# Altium PCB UltraZohm_Analog_ADS5272.PcbDoc (part 1 of 4) (continued)
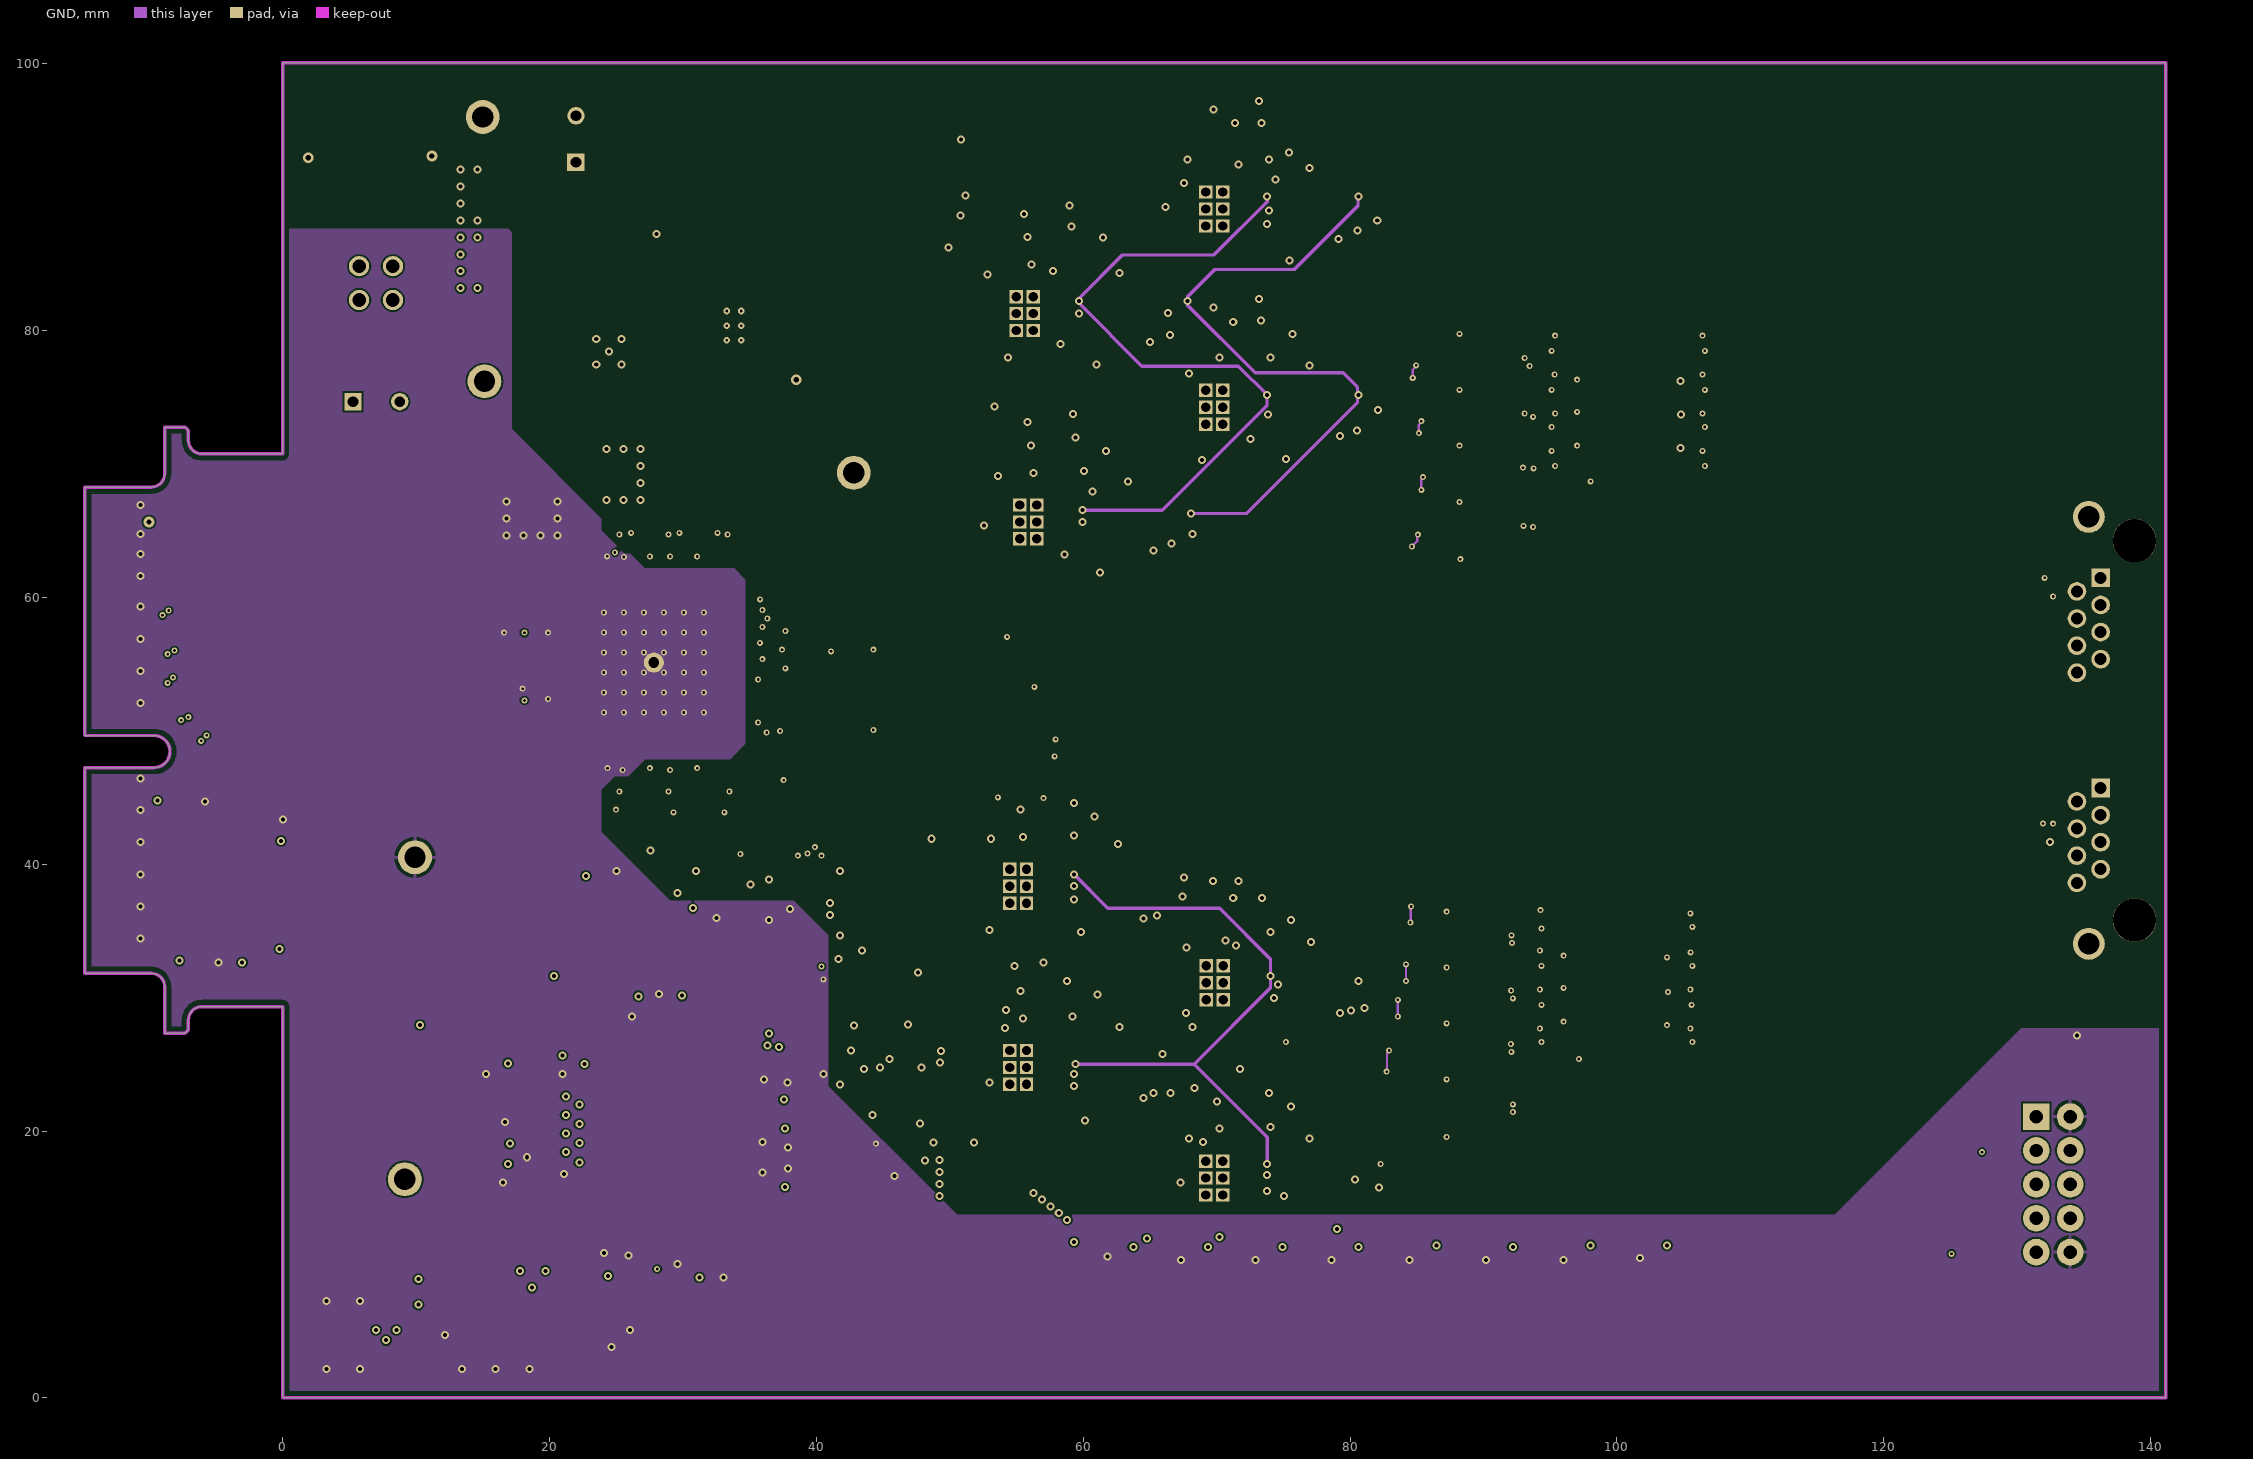
[diagram p4: GND]
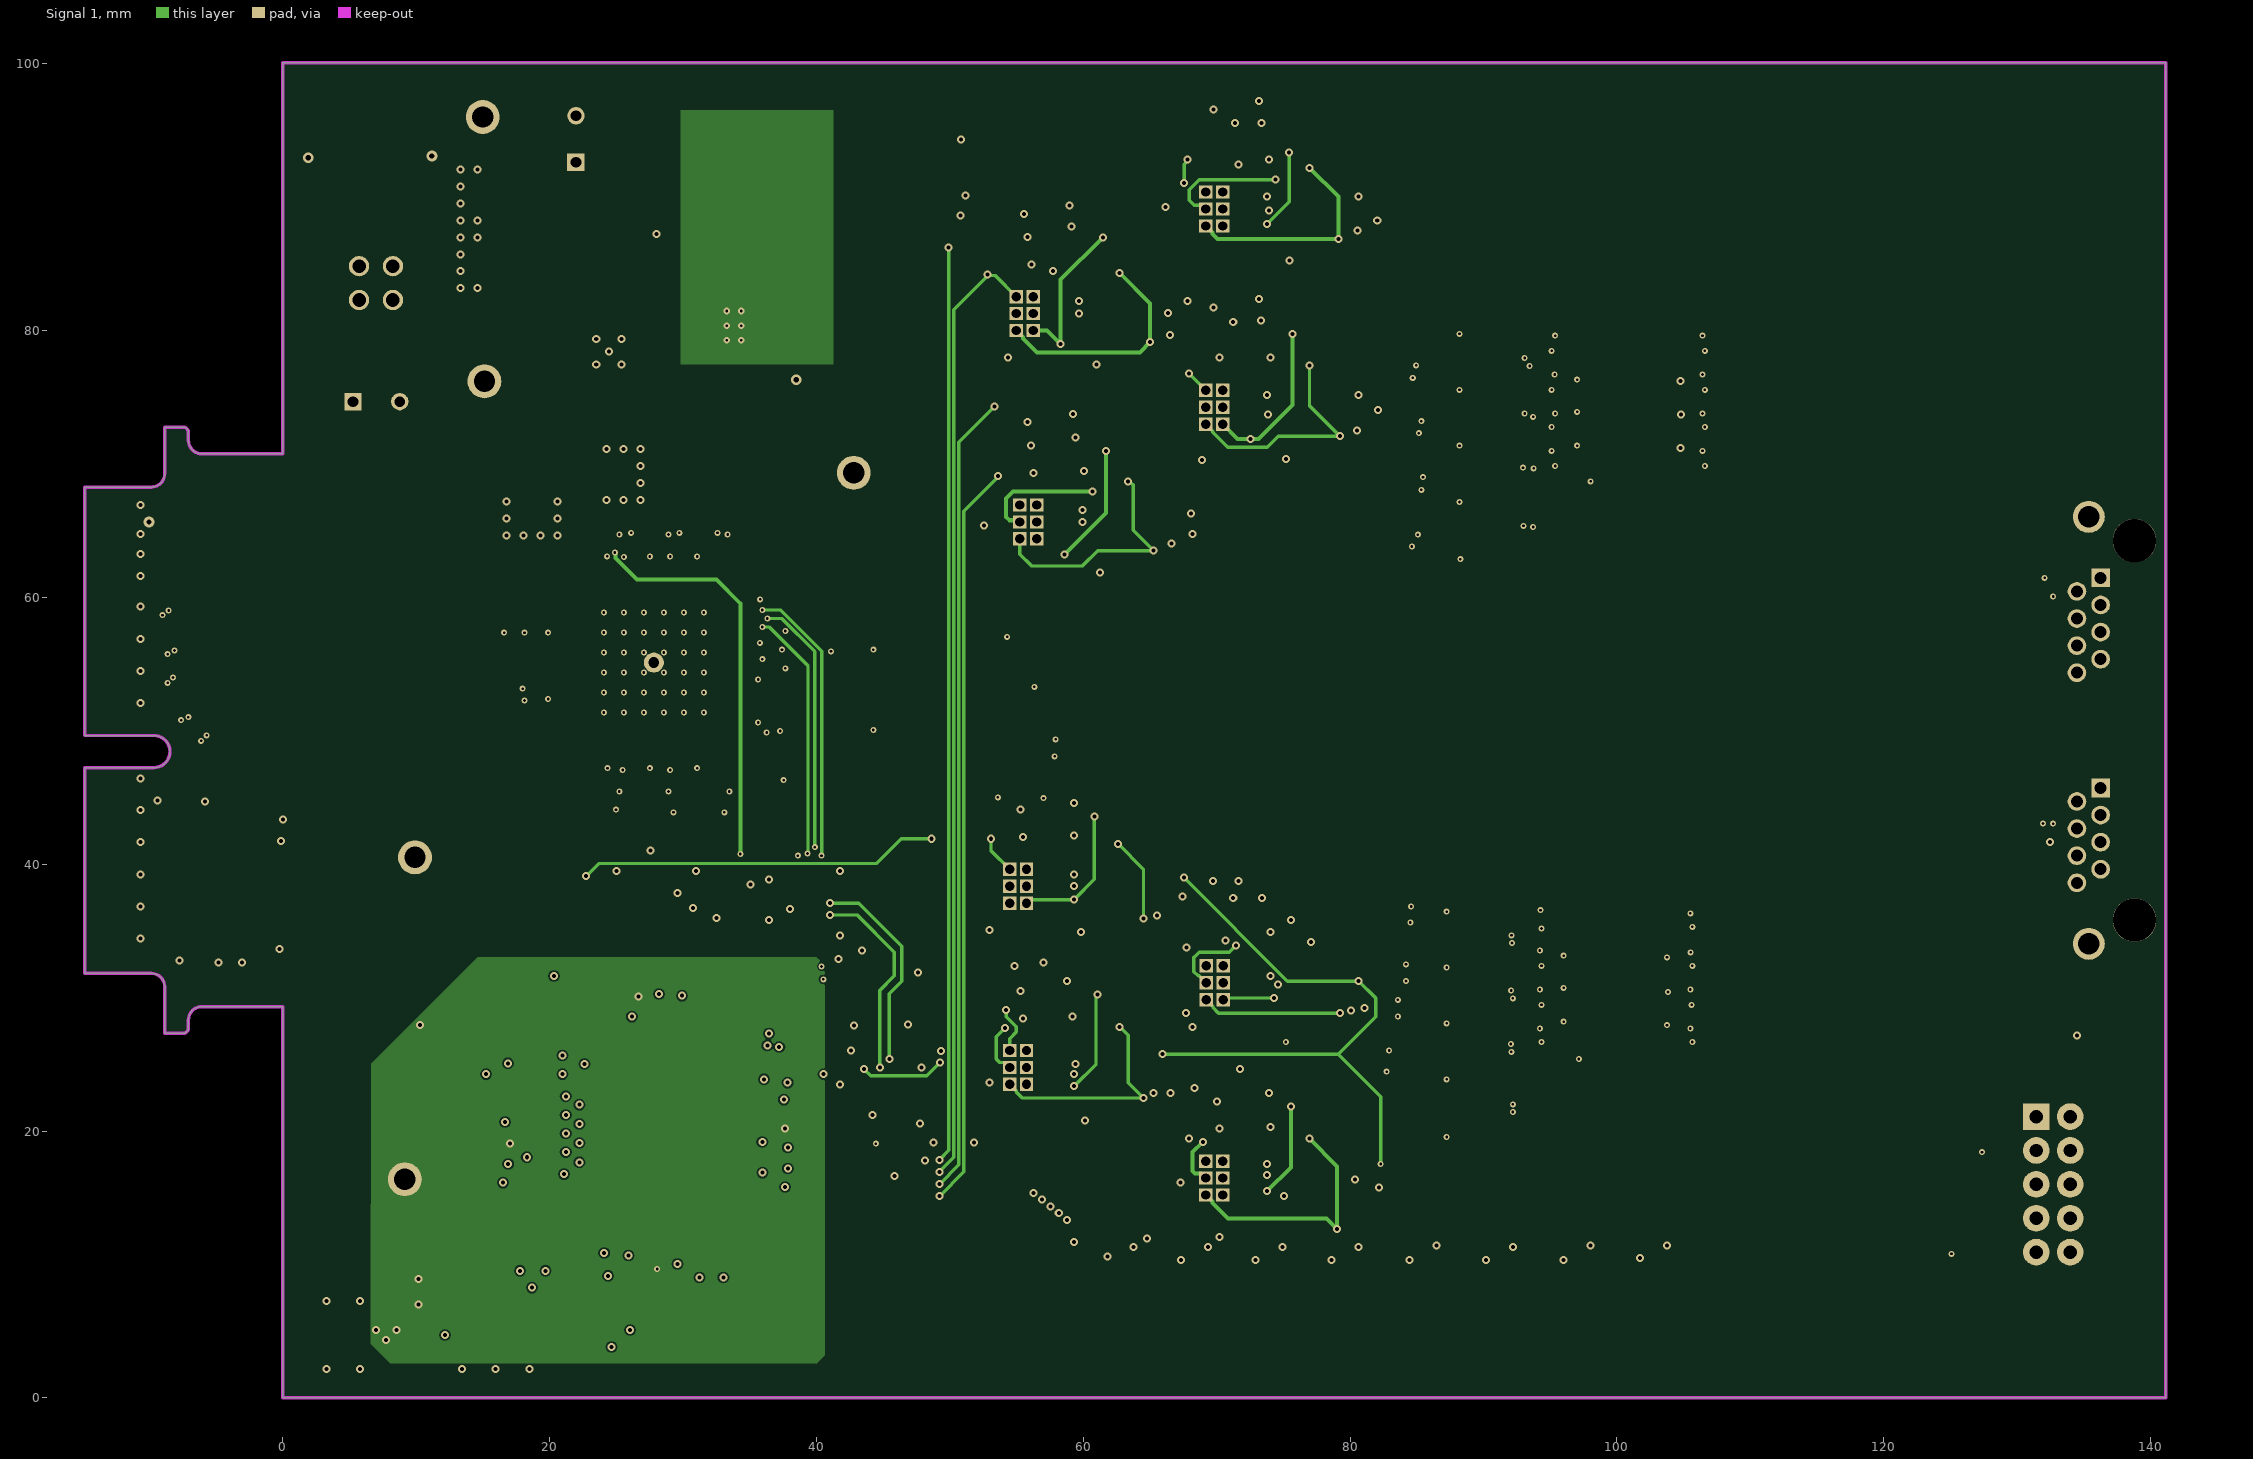
[diagram p5: Signal 1]
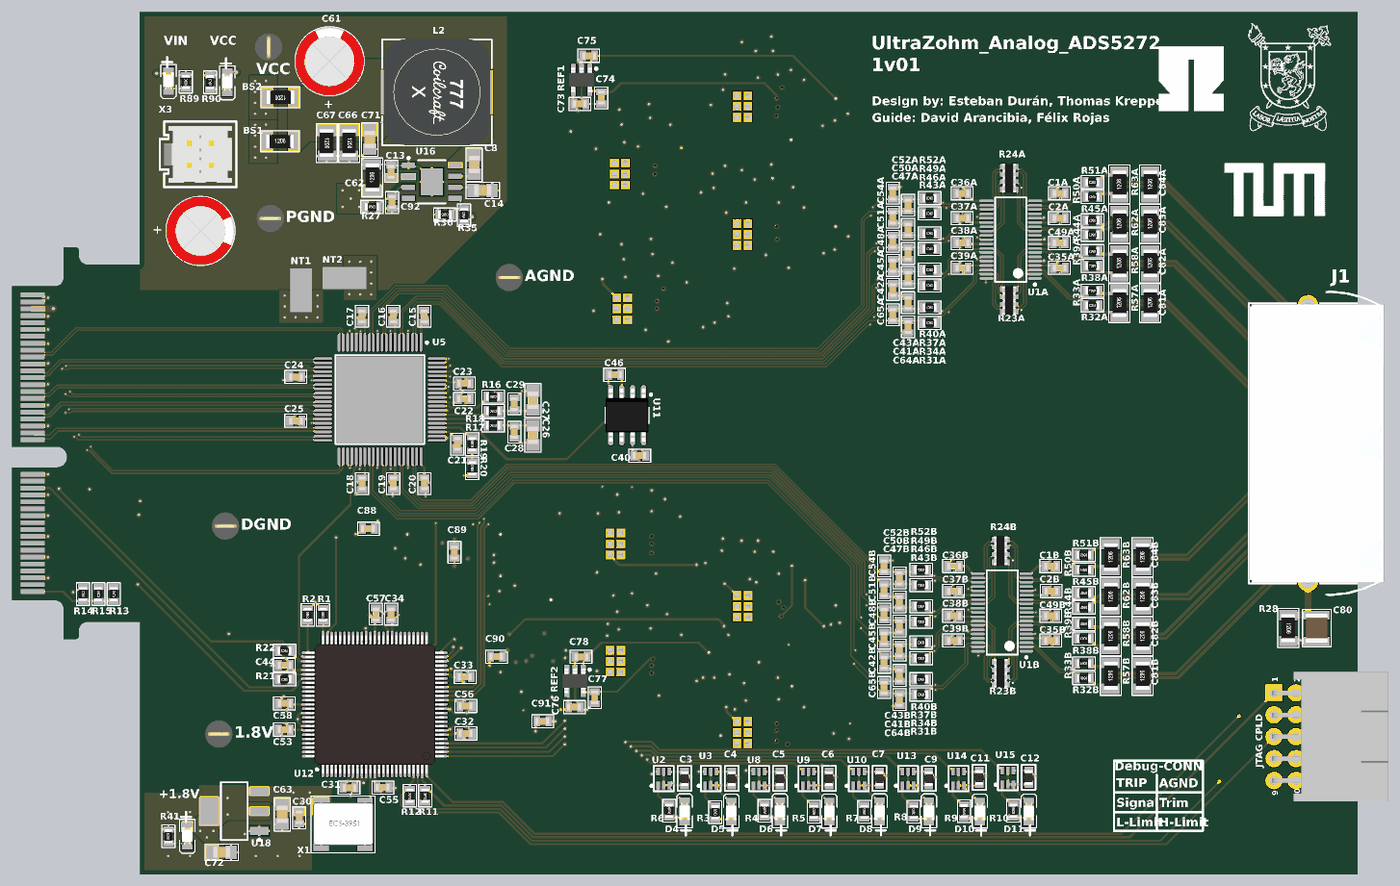
[diagram p9: 3D render of the assembled board from above, using the file's embedded part models]
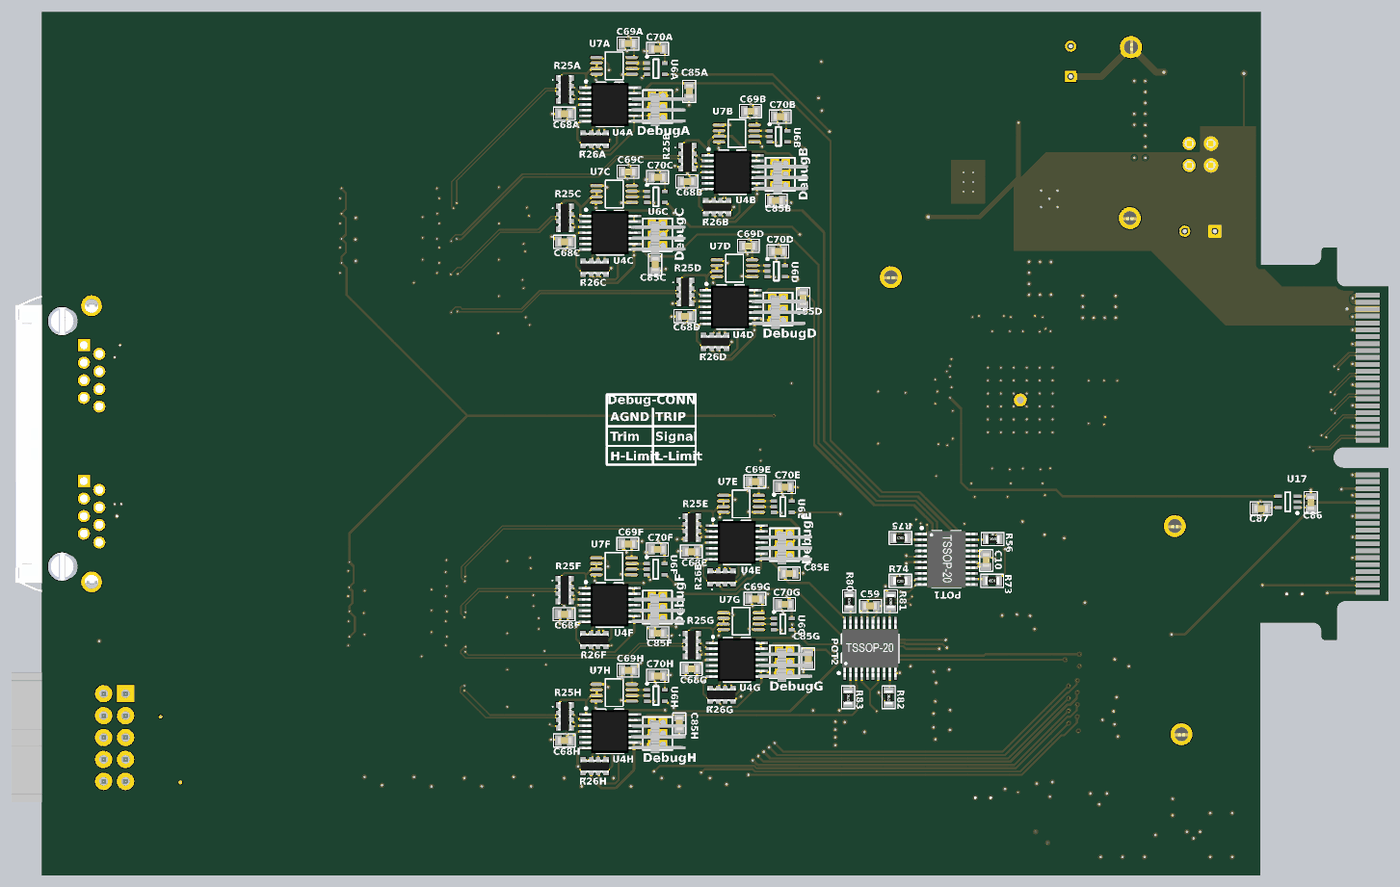
[diagram p10: 3D render of the assembled board from below, using the file's embedded part models]

## Layer stack, top to bottom
Top Solder: solder mask 0.0102, Solder Resist, Dk 3.5
Top Layer: signal copper 0.0356
Dielectric 1: core 0.254, FR-4, Dk 4.2
AGND: signal copper 0.036
Dielectric 5: prepreg 0.127, Dk 4.2
VCC: signal copper 0.036
Dielectric 4: core 0.6026, Dk 4.2
GND: signal copper 0.036
Dielectric 3: prepreg 0.127, Dk 4.2
Signal 1: signal copper 0.036
Dielectric 2: core 0.254, Dk 4.2
Bottom Layer: signal copper 0.0356
Bottom Solder: solder mask 0.0102, Solder Resist, Dk 3.5

## Board outline
-14.08,31.821 -9.859,31.821 cw(c-9.859,30.821) -8.859,30.821 -8.859,27.321 -7.479,27.321 ccw(c-7.479,27.721) -7.079,27.721 -7.079,28.321 cw(c-6.079,28.321) -6.079,29.321 0,29.321 0,0 141.16,0 141.16,100.073 141.141,100.092 -0.019,100.092 -0.019,70.771 -6.079,70.771 cw(c-6.079,71.771) -7.079,71.771 -7.079,72.371 ccw(c-7.479,72.371) -7.479,72.771 -8.859,72.771 -8.859,69.271 cw(c-9.859,69.271) -9.859,68.271 -14.859,68.271 -14.859,49.646 -9.659,49.646 cw(c-9.659,48.446) -9.659,47.246 -14.859,47.246 -14.859,31.821

## Design rules (kind name [scope] priority, off if disabled: settings)
BoardOutlineClearance [All] p1: gap=0.508 ignorepadtopadclearanceinfootprint=FALSE except(0: Arc-SplitContinuation Track-SplitContinuation SMDPad-SplitContinuation THPad-SplitContinuation Via-SplitContinuation Fill-SplitContinuation Poly-SplitContinuation Region-SplitContinuation Text-SplitContinuation)
Clearance [All] p1: gap=0.127 ignorepadtopadclearanceinfootprint=FALSE except(0: Arc-Text Track-Text SMDPad-Text THPad-Text Via-Text Fill-Text Poly-Text Region-Text Text-Text)
ComponentClearance [All] p1: gap=0 collisioncheckmode=3 verticalgap=0 showdistances=FALSE
DiffPairsRouting [All] p1: maxlimit=0.508 minlimit=0.127 mostfreqgap=0.127 toplayer_minwidth=0.127 toplayer_maxwidth=0.762 toplayer_prefwidth=0.178 midlayer1_minwidth=0.127 midlayer1_maxwidth=0.762 midlayer1_prefwidth=0.178 midlayer2_minwidth=0.127 midlayer2_maxwidth=0.762 midlayer2_prefwidth=0.178 midlayer3_minwidth=0.127 midlayer3_maxwidth=0.762 midlayer3_prefwidth=0.178 midlayer4_minwidth=0.127 midlayer4_maxwidth=0.762 midlayer4_prefwidth=0.178 bottomlayer_minwidth=0.127 bottomlayer_maxwidth=0.762 bottomlayer_prefwidth=0.178 maxuncoupledlength=12.7
Height [All] p1: minheight=0 maxheight=50 prefheight=12.7
HoleSize [All] p1: absolutevalues=TRUE maxlimit=6.3 minlimit=0.2 maxpercent=80.000 minpercent=20.000
MinimumAnnularRing [All] p1: minimumring=0.076
MinimumSolderMaskSliver [All] p1: minsoldermaskwidth=0.01
PolygonConnect PolygonConnect_NetTie [HasFootprint('NetTie')] p1: connectstyle=Direct reliefconductorwidth=0.254 reliefentries=4 polygonreliefangle="90 Angle" airgapwidth=0.254
PolygonConnect PolygonConnect_GND [InNet('AGND') or InNet('PGND') or InNet('GND')] p2: thpad.connectstyle=Relief thpad.reliefconductorwidth=0.254 thpad.reliefentries=4 thpad.polygonreliefangle="90 Angle" thpad.airgapwidth=0.254 smdpad.connectstyle=Relief smdpad.reliefconductorwidth=0.254 smdpad.reliefentries=4 smdpad.polygonreliefangle="90 Angle" smdpad.airgapwidth=0.254 via.connectstyle=Direct via.reliefconductorwidth=0.254 via.reliefentries=4 via.polygonreliefangle="90 Angle" via.airgapwidth=0.254
PolygonConnect [All] p3: connectstyle=Direct reliefconductorwidth=0.254 reliefentries=4 polygonreliefangle="90 Angle" airgapwidth=0.254
RoutingVias [All] p1: holewidth=0.3 width=0.6 viastyle="Through Hole" minholewidth=0.2 minwidth=0.45 maxholewidth=0.4 maxwidth=0.8
SilkToSilkClearance [All] p1: silktosilkclearance=0
SilkToSolderMaskClearance [IsPad] p1: minsilkscreentomaskgap=0.015 clearancetoexposedcopper=TRUE
SolderMaskExpansion [All] p1: expansion=0.102 istentingtop=FALSE
Width [All] p1: maxlimit=0.762 minlimit=0.089 preferedwidth=0.254
23 further rules are at their usual default settings.

## Classes and differential pairs
channel class Opamps: OpAmps1 OpAmps2
channel class "Trip Detector": Trip1 Trip2 Trip3 Trip4 Trip5 Trip6 Trip7 Trip8 Trip9 Trip10 Trip11 Trip12 Trip13 Trip14 Trip15 Trip16
differential pair D_ADCLK: +ADCLK_P -ADCLK_N
differential pair D_LCLK: +LCLK_P -LCLK_N
differential pair D_FB1A: +FB1A_P -FB1A_N
differential pair D_FB1B: +FB1B_P -FB1B_N
differential pair D_FB2A: +FB2A_P -FB2A_N
differential pair D_FB2B: +FB2B_P -FB2B_N
differential pair D_FB3A: +FB3A_P -FB3A_N
differential pair D_FB3B: +FB3B_P -FB3B_N
differential pair D_FB4A: +FB4A_P -FB4A_N
differential pair D_FB4B: +FB4B_P -FB4B_N
differential pair D_ADC_IN4: +ADC_IN_P4 -ADC_IN_N4
differential pair D_ADC_IN8: +ADC_IN_P8 -ADC_IN_N8
differential pair D_ADC_IN3: +ADC_IN_P3 -ADC_IN_N3
differential pair D_ADC_IN7: +ADC_IN_P7 -ADC_IN_N7
differential pair D_ADC_IN2: +ADC_IN_P2 -ADC_IN_N2
differential pair D_ADC_IN6: +ADC_IN_P6 -ADC_IN_N6
differential pair D_ADC_IN1: +ADC_IN_P1 -ADC_IN_N1
differential pair D_ADC_IN5: +ADC_IN_P5 -ADC_IN_N5
differential pair D_ADC1: +ADC_P1 -ADC_N1
differential pair D_ADC2: +ADC_P2 -ADC_N2
differential pair D_ADC3: +ADC_P3 -ADC_N3
differential pair D_ADC4: +ADC_P4 -ADC_N4
differential pair D_ADC5: +ADC_P5 -ADC_N5
differential pair D_ADC6: +ADC_P6 -ADC_N6
differential pair D_ADC7: +ADC_P7 -ADC_N7
differential pair D_ADC8: +ADC_P8 -ADC_N8
differential pair D_AIN_A1: +AIN_A_P1 -AIN_A_N1
differential pair D_AIN_A2: +AIN_A_P2 -AIN_A_N2
differential pair D_AIN_A3: +AIN_A_P3 -AIN_A_N3
differential pair D_AIN_A4: +AIN_A_P4 -AIN_A_N4
differential pair D_AIN_B1: +AIN_B_P1 -AIN_B_N1
differential pair D_AIN_B2: +AIN_B_P2 -AIN_B_N2
differential pair D_AIN_B3: +AIN_B_P3 -AIN_B_N3
differential pair D_AIN_B4: +AIN_B_P4 -AIN_B_N4
differential pair D_TD1: +TD_P1 -TD_N1
differential pair D_TD2: +TD_P2 -TD_N2
differential pair D_TD3: +TD_P3 -TD_N3
differential pair D_TD4: +TD_P4 -TD_N4
differential pair D_TD5: +TD_P5 -TD_N5
differential pair D_TD6: +TD_P6 -TD_N6
differential pair D_TD7: +TD_P7 -TD_N7
differential pair D_TD8: +TD_P8 -TD_N8
differential pair NewDifferentialPair1: +ADC_IN_N5 -ADC_IN_P5
differential pair FB4B: +FB4B_P -FB4B_N
differential pair FB4A: +FB4A_P -FB4A_N
differential pair FB3B: +FB3B_P -FB3B_N
differential pair FB3A: +FB3A_P -FB3A_N
differential pair FB2B: +FB2B_P -FB2B_N
differential pair FB2A: +FB2A_P -FB2A_N
differential pair FB1B: +FB1B_P -FB1B_N
differential pair FB1A: +FB1A_P -FB1A_N
differential pair LCLK: +LCLK_P -LCLK_N
differential pair ADCLK: +ADCLK_P -ADCLK_N
differential pair ADC8: +ADC_P8 -ADC_N8
differential pair ADC7: +ADC_P7 -ADC_N7
differential pair ADC6: +ADC_P6 -ADC_N6
differential pair ADC4: +ADC_P4 -ADC_N4
differential pair ADC3: +ADC_P3 -ADC_N3

## Components (designator, comment, footprint, x,y, rotation, side; value= is the part's Value field where it differs from the comment)
BS1 "Ferrite bead" RES_1206 14.732,85.09 r270 top
BS2 "Ferrite bead" RES_1206 17.78,90.17 r90 top
C1A "100nF" CAP_0603 107.251,79.039 r270 top (schematic designator C1)
C1B "100nF" CAP_0603 106.264,35.795 r270 top (schematic designator C1)
C2A "100nF" CAP_0603 107.248,76.16 r270 top (schematic designator C2)
C2B "100nF" CAP_0603 106.302,32.893 r270 top (schematic designator C2)
C3 "100nF" 0603 63.119,11.14 r90 top
C4 "100nF" 0603 68.58,11.14 r90 top
C5 "100nF" 0603 74.168,11.14 r90 top
C6 "100nF" 0603 79.883,11.14 r90 top
C7 "100nF" 0603 85.725,11.153 r90 top
C8 "100nF" CAP_0805 38.724,83.475 r0 top
C9 "100nF" 0603 91.44,11.14 r90 top
C10 "100nF" CAP_0603 31.75,37.214 r180 bottom
C11 "100nF" 0603 97.282,11.267 r90 top
C12 "100nF" 0603 102.997,11.267 r90 top
C13 "100nF" CAP_0603 29.117,80.893 r180 top
C14 "1uF" CAP_0805 38.624,79.375 r90 top
C15 "100nF" CAP_0603 32.969,64.089 r180 top
C16 "100nF" CAP_0603 29.35,64.089 r180 top
C17 "100nF" CAP_0603 25.73,64.089 r180 top
C18 "100nF" CAP_0603 25.73,46.055 r0 top
C19 "100nF" CAP_0603 29.35,46.055 r0 top
C20 "100nF" CAP_0603 32.969,46.055 r0 top
C21 "100nF" CAP_0603 36.779,50.627 r0 top
C22 "100nF" CAP_0603 36.903,55.199 r90 top
C23 "100nF" CAP_0603 36.906,56.977 r90 top
C24 "100nF" CAP_0603 18.745,57.739 r270 top
C25 "100nF" CAP_0603 18.745,52.659 r270 top
C26 "2.2uF" CAP_0805 45.542,52.065 r0 top
C27 "2.2uF" CAP_0805 45.542,53.929 r180 top
C28 "100nF" CAP_0603 43.383,52.024 r0 top
C29 "100nF" CAP_0603 43.383,53.929 r180 top
C30 "100nF" CAP_0603 18.447,7.299 r0 top
C31 "100nF" CAP_0603 24.927,10.09 r270 top
C32 "100nF" CAP_0603 37.081,16.383 r90 top
C33 "100nF" CAP_0603 36.986,22.917 r90 top
C34 "100nF" CAP_0603 29.115,29.518 r180 top
C35A "100nF" CAP_0603 107.251,70.403 r270 top (schematic designator C35)
C35B "100nF" CAP_0603 106.264,27.159 r270 top (schematic designator C35)
C36A "100nF" CAP_0603 95.984,79.039 r270 top (schematic designator C36)
C36B "100nF" CAP_0603 94.996,35.795 r270 top (schematic designator C36)
C37A "100nF" CAP_0603 95.987,76.16 r270 top (schematic designator C37)
C37B "100nF" CAP_0603 94.999,32.916 r270 top (schematic designator C37)
C38A "100nF" CAP_0603 95.984,73.282 r270 top (schematic designator C38)
C38B "100nF" CAP_0603 94.996,30.038 r270 top (schematic designator C38)
C39A "100nF" CAP_0603 95.987,70.403 r270 top (schematic designator C39)
C39B "100nF" CAP_0603 94.999,27.159 r270 top (schematic designator C39)
C40 "100nF" CAP_0603 57.226,48.595 r90 top
C41A "200pF" CAP_0603 89.027,65.659 r180 top (schematic designator C41)
C41B "200pF" CAP_0603 88.039,22.415 r180 top (schematic designator C41)
C42A "200pF" CAP_0603 87.249,67.18 r180 top (schematic designator C42)
C42B "200pF" CAP_0603 86.261,23.936 r180 top (schematic designator C42)
C43A "100pF" CAP_0603 89.027,68.58 r180 top (schematic designator C43)
C43B "100pF" CAP_0603 88.039,25.336 r180 top (schematic designator C43)
C44 "100nF" CAP_0603 17.431,24.314 r270 top
C45A "200pF" CAP_0603 87.249,69.974 r180 top (schematic designator C45)
C45B "200pF" CAP_0603 86.261,26.73 r180 top (schematic designator C45)
C46 "100nF" CAP_0603 55.702,57.993 r270 top
C47A "200pF" CAP_0603 89.027,71.371 r180 top (schematic designator C47)
C47B "200pF" CAP_0603 88.039,28.127 r180 top (schematic designator C47)
C48A "100pF" CAP_0603 87.249,72.768 r180 top (schematic designator C48)